# Allegro board 20173009_BALENA-FIN_V10.brd (continued)
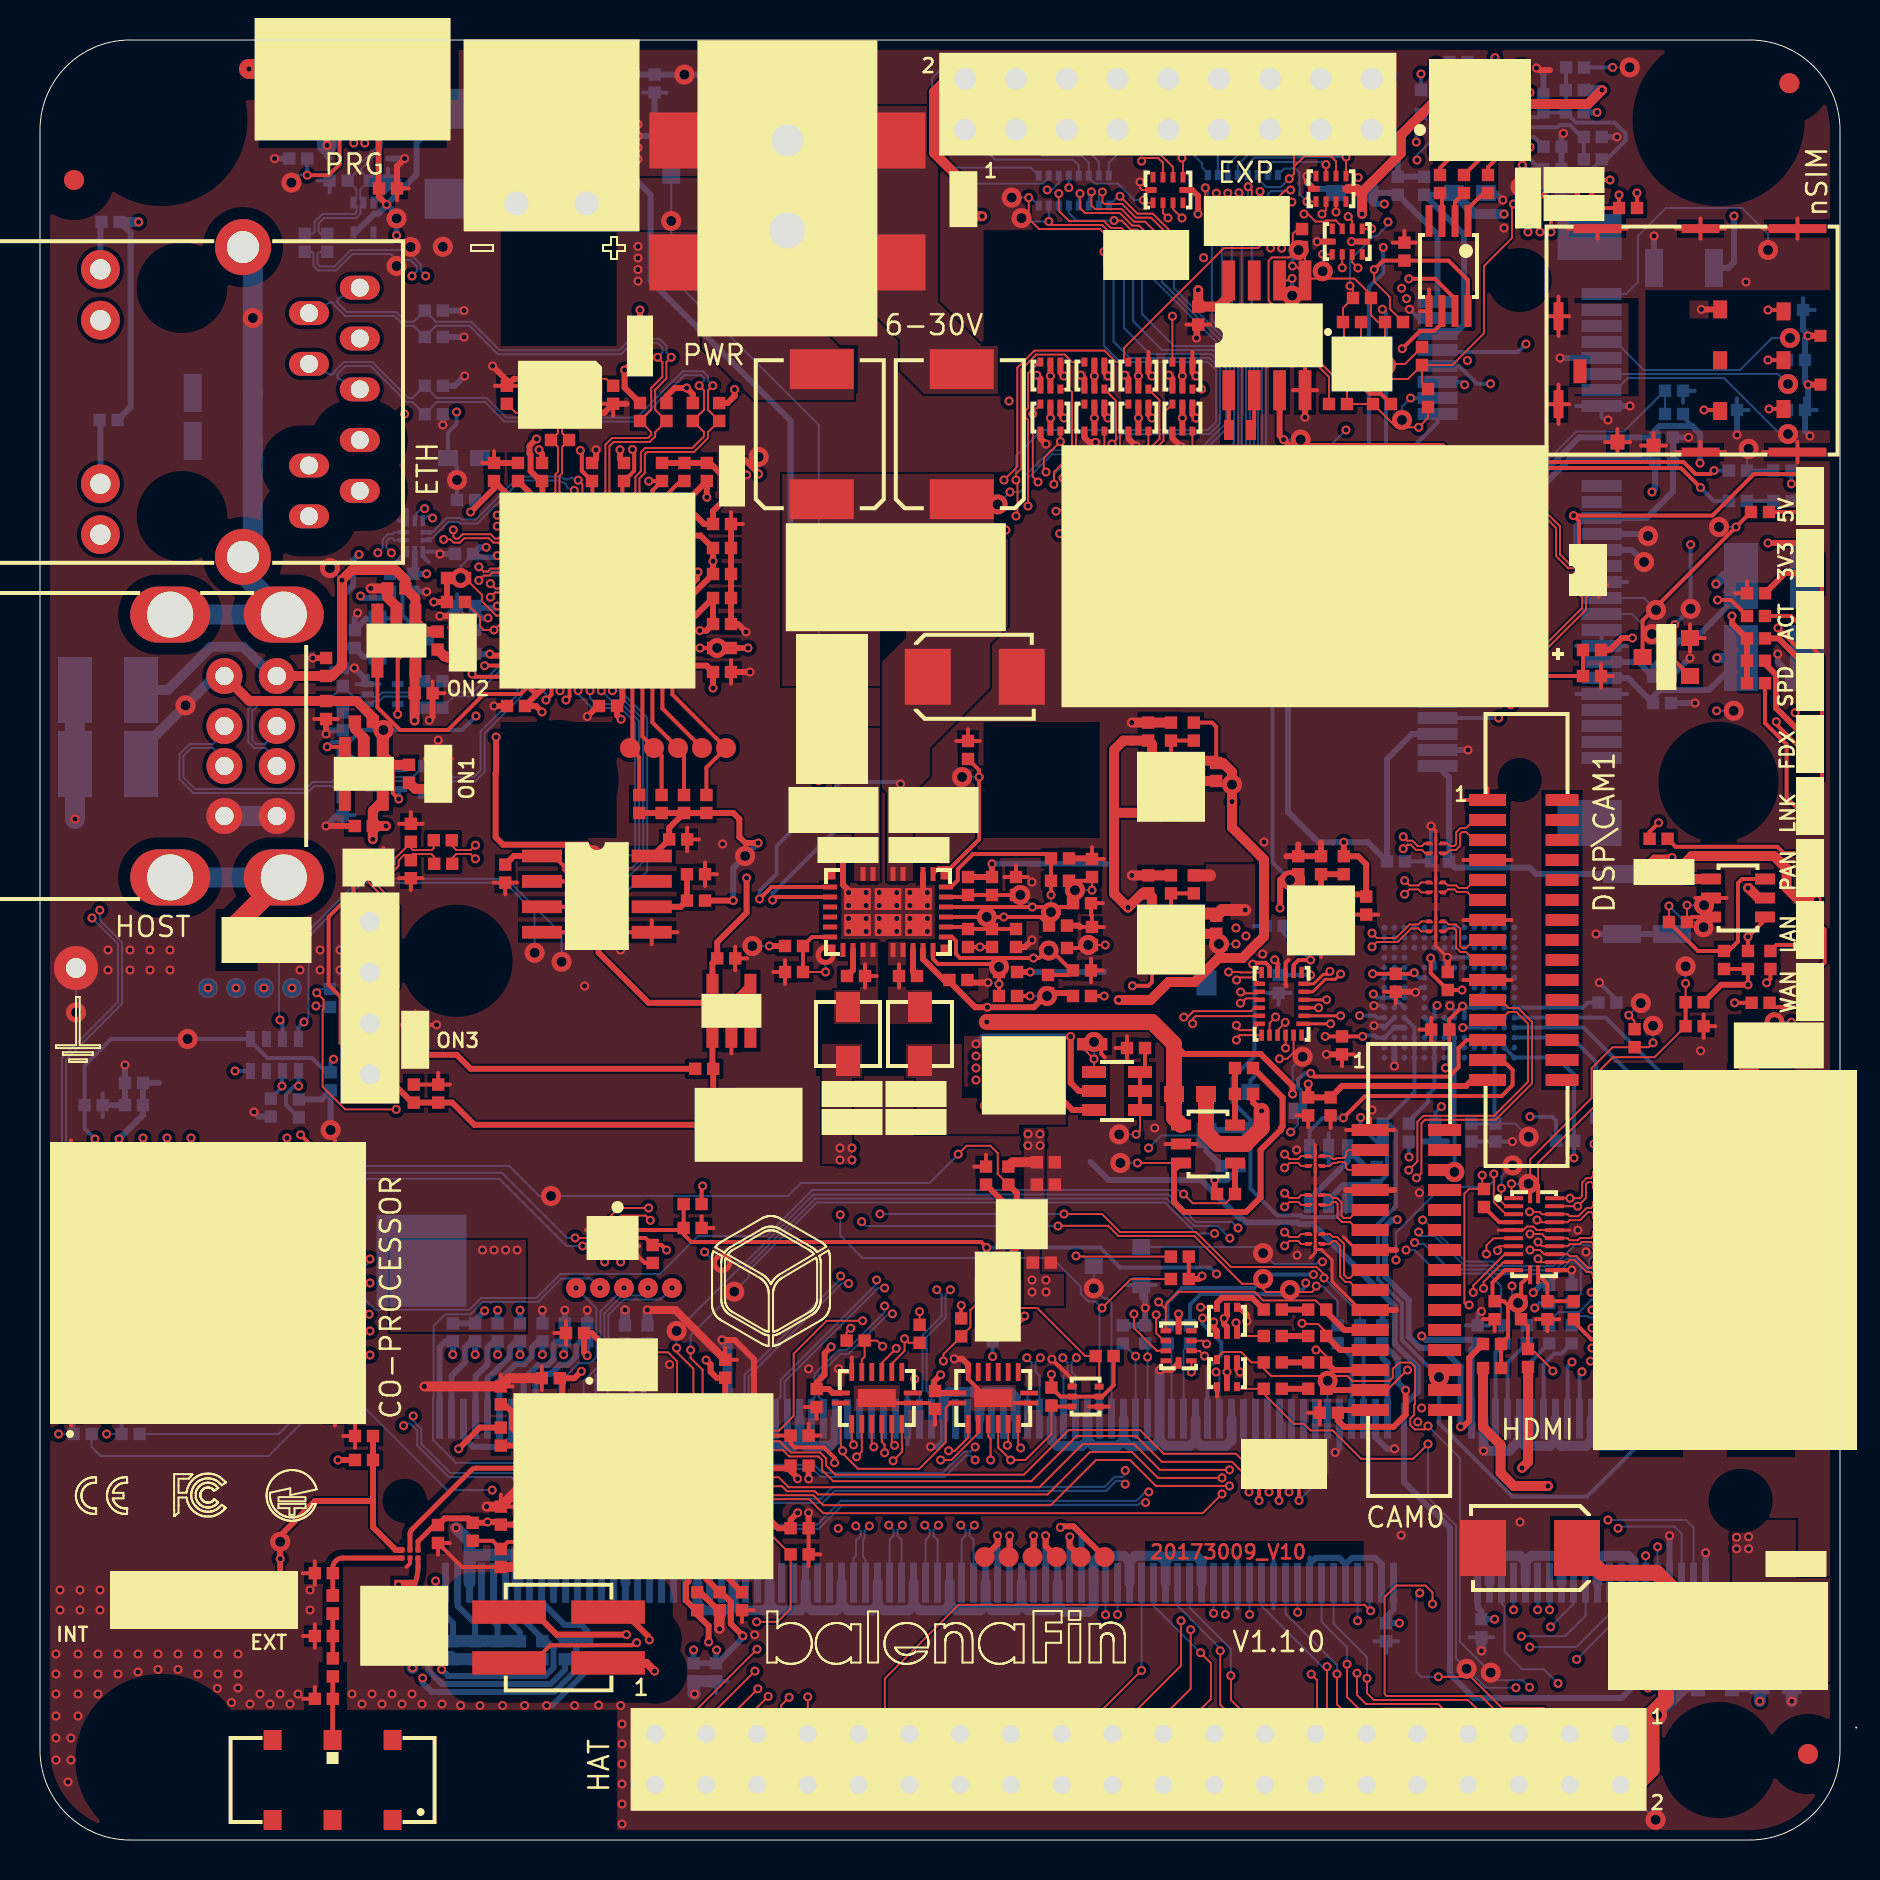
[diagram p0: board, top side]
## Placement (name value [footprint] x y rotation side) (continued)
NOREF#919  -  []  80.05 21.12 0 top
NOREF#920  -  []  77.5 84.84 90 top
NOREF#921  -  []  12.46 84.07 0 top
NOREF#922  -  []  61.93 42.35 90 top
NOREF#923  -  []  60.88 24.19 0 top
NOREF#924  -  []  31.1 27.6 0 top
NOREF#925  -  []  18.23 65.68 0 top
NOREF#926  -  []  3.02 75.99 90 top
NOREF#927  -  []  15.43 51.01 0 top
NOREF#928  -  []  69.88 76.9 0 top
NOREF#929  -  []  72.74 25.11 0 top
NOREF#930  -  []  65.22 44.43 90 top
NOREF#931  -  []  69.59 49.33 0 top
NOREF#932  -  []  74.34 24.83 90 top
NOREF#933  -  []  30.4 20.8 90 top
NOREF#934  -  []  79.05 74.77 0 top
NOREF#935  -  []  76.61 88.32 90 top
NOREF#936  -  []  58.44 81.45 90 top
NOREF#937  -  []  11.8 87.31 90 top
NOREF#938  -  []  51.05 32.46 90 top
NOREF#939  -  []  72.4 82.35 90 top
NOREF#940  -  []  55.25 82.35 0 top
NOREF#941  -  []  52.69 28.7 0 top
NOREF#942  -  []  83.55 10.45 0 top
NOREF#943  -  []  86.17 42.17 0 top
NOREF#944  -  []  62.6 49.5 0 top
NOREF#945  -  []  15.75 20.2 0 top
NOREF#946  -  []  57.91 23.48 0 top
NOREF#947  -  []  76.29 87.5 0 top
NOREF#948  -  []  50.71 42.04 90 top
NOREF#949  -  []  13.48 82.5 0 top
NOREF#950  -  []  14.83 51.55 0 top
NOREF#951  -  []  63.41 26.52 0 top
NOREF#952  -  []  32.87 94.48 0 top
NOREF#953  -  []  64.61 80.56 0 top
NOREF#954  -  []  4.2 52.15 90 top
NOREF#955  -  []  32.87 98.98 0 top
NOREF#956  -  []  14.33 8.49 0 top
NOREF#957  -  []  18.23 16.96 90 top
NOREF#958  -  []  57.38 48.54 0 top
NOREF#959  -  []  74.65 74.77 0 top
NOREF#960  -  []  16.87 58.62 0 top
NOREF#961  -  []  22.82 7.01 90 top
NOREF#962  -  []  55.27 72.02 0 top
NOREF#963  -  []  83.95 71.5 0 top
NOREF#964  -  []  32.18 31.8 0 top
NOREF#965  -  []  74.36 26.63 90 top
NOREF#966  -  []  19.51 52.07 90 top
NOREF#967  -  []  64.14 78.94 90 top
NOREF#968  -  []  70 82.35 90 top
NOREF#969  -  [unnamed#3]  83.93 86 0 top
NOREF#970  -  []  13.99 59.41 0 top
NOREF#971  -  []  78.23 41.56 90 top
NOREF#972  -  []  76.1 38 0 top
NOREF#973  -  []  37.84 13.97 90 top
NOREF#974  -  []  33.97 38.25 90 top
NOREF#975  -  []  62.79 79.96 0 top
NOREF#976  -  []  29.25 24.83 90 top
NOREF#977  -  []  68.76 34.61 90 top
NOREF#978  -  []  24.81 12.71 90 top
NOREF#979  -  []  25.12 24.93 90 top
NOREF#980  -  []  47.66 37.26 90 top
NOREF#981  -  []  4.29 80.59 90 top
NOREF#982  -  []  69.4 71.65 90 top
NOREF#983  -  []  69.45 83.95 0 top
NOREF#984  -  []  88.15 52.1 0 top
NOREF#985  -  []  20.33 26.14 0 top
NOREF#986  -  []  12.29 63.76 90 top
NOREF#987  -  []  1.55 22.2 90 top
NOREF#988  -  []  33.63 51.04 90 top
NOREF#989  -  []  23.66 56.39 90 top
NOREF#990  -  []  60.68 40.7 0 top
NOREF#991  -  []  24.87 13.49 90 top
NOREF#992  -  []  64.78 44.43 0 top
NOREF#993  -  []  59.12 45 90 top
NOREF#994  -  []  40.33 24.97 0 top
NOREF#995  -  []  14.22 37.79 0 top
NOREF#996  -  []  35.22 39.61 0 top
NOREF#997  -  []  59.08 33.7 0 top
NOREF#998  -  []  82.84 8.3 0 top
NOREF#999  -  []  33.48 83.76 90 top
NOREF#1000  -  []  15.38 82.5 0 top
NOREF#1001  -  []  24.22 58.82 90 top
NOREF#1002  -  []  25.1 45.39 0 top
NOREF#1003  -  []  69.72 48.18 0 top
NOREF#1004  -  []  63.41 79.34 90 top
NOREF#1005  -  []  89.65 66.8 90 top
NOREF#1006  -  []  64.21 29.9 90 top
NOREF#1007  -  []  53.84 83.72 0 top
NOREF#1008  -  []  47.32 25.26 0 top
NOREF#1009  -  []  84.36 61.12 90 top
NOREF#1010  -  []  68.45 34.92 90 top
NOREF#1011  -  []  56.2 37.7 0 top
NOREF#1012  -  []  76.49 5.3 0 top
NOREF#1013  -  []  20.66 62.79 90 top
NOREF#1014  -  []  34.1 68.6 0 top
NOREF#1015  -  []  51.66 44.29 90 top
NOREF#1016  -  []  38.46 43.09 90 top
NOREF#1017  -  []  46.06 25.18 90 top
NOREF#1018  -  []  18.23 16.96 0 top
NOREF#1019  -  []  64.57 26.04 0 top
NOREF#1020  -  []  85.9 79.5 0 top
NOREF#1021  -  []  58.14 81.22 90 top
NOREF#1022  -  []  3.67 81.21 0 top
NOREF#1023  -  []  18.08 1.5 90 top
NOREF#1024  -  []  11.23 36.48 0 top
NOREF#1025  -  []  21.32 15.27 0 top
NOREF#1026  -  []  76.29 86.38 0 top
NOREF#1027  -  []  54.95 25.14 0 top
NOREF#1028  -  []  70.75 80.95 0 top
NOREF#1029  -  []  74.86 84.98 0 top
NOREF#1030  -  []  99.77 69.74 90 top
NOREF#1031  -  []  51.34 42.51 0 top
NOREF#1032  -  []  23.04 13.65 90 top
NOREF#1033  -  []  24.81 26.14 0 top
NOREF#1034  -  []  56.55 54.97 90 top
NOREF#1035  -  []  55.78 24.56 0 top
NOREF#1036  -  []  44.97 81.54 0 top
NOREF#1037  -  []  14.19 41.96 0 top
NOREF#1038  -  []  87.26 67.26 0 top
NOREF#1039  -  []  76.69 26.04 90 top
NOREF#1040  -  []  24.03 12.02 0 top
NOREF#1041  -  []  60.3 19.3 90 top
NOREF#1042  -  []  57.72 51.11 90 top
NOREF#1043  -  []  25.41 67.64 90 top
NOREF#1044  -  []  31.11 85.51 0 top
NOREF#1045  -  []  33.65 67.64 90 top
NOREF#1046  -  []  13.43 7.37 0 top
NOREF#1047  -  []  3.44 36.43 90 top
NOREF#1048  -  []  87.17 73.99 90 top
NOREF#1049  -  []  56.88 43.74 0 top
NOREF#1050  -  []  63.69 30.6 0 top
NOREF#1051  -  []  87.88 66.64 90 top
NOREF#1052  -  []  2.98 71 0 top
NOREF#1053  -  []  70.24 47.48 90 top
NOREF#1054  -  []  53.84 83.72 0 top
NOREF#1055  -  []  63.69 34.5 0 top
NOREF#1056  -  []  81.75 24.83 90 top
NOREF#1057  -  []  72.73 61.12 90 top
NOREF#1058  -  []  77.92 41.87 0 top
NOREF#1059  -  []  80.3 61.5 0 top
NOREF#1060  -  []  70.24 45.53 90 top
NOREF#1061  -  []  63.72 35.92 90 top
NOREF#1062  -  []  48.11 33.98 0 top
NOREF#1063  -  []  25.93 53 90 top
NOREF#1064  -  []  4.25 37.86 0 top
NOREF#1065  -  []  29.51 67.64 90 top
NOREF#1066  -  []  70.15 40.83 0 top
NOREF#1067  -  []  4.39 21.29 90 top
NOREF#1068  -  []  50.33 14.15 0 top
NOREF#1069  -  []  33.65 72.16 0 top
NOREF#1070  -  []  34.24 59.91 0 top
NOREF#1071  -  []  1.68 21.6 0 top
NOREF#1072  -  []  76.38 26.35 0 top
NOREF#1073  -  []  76.88 87.81 0 top
NOREF#1074  -  []  80.48 35.36 90 top
NOREF#1075  -  []  67.43 25.42 90 top
NOREF#1076  -  []  46.71 53.74 90 top
NOREF#1077  -  []  81.15 49.25 0 top
NOREF#1078  -  []  52.72 73.9 0 top
NOREF#1079  -  []  64.14 72.11 0 top
NOREF#1080  -  []  21.44 62.01 0 top
NOREF#1081  -  []  47.91 47.84 90 top
NOREF#1082  -  []  56.29 23.96 90 top
NOREF#1083  -  []  84.01 71.45 0 top
NOREF#1084  -  []  89.03 72.77 90 top
NOREF#1085  -  []  66.31 25.42 90 top
NOREF#1086  -  []  80.34 58.48 0 top
NOREF#1087  -  []  31.56 83.21 90 top
NOREF#1088  -  [unnamed#3]  83.93 4 0 top
NOREF#1089  -  []  19.53 56.31 90 top
NOREF#1090  -  []  41.2 44.8 0 top
NOREF#1091  -  []  57.28 51.11 0 top
NOREF#1092  -  []  60.45 18.05 90 top
NOREF#1093  -  []  84.95 7.19 90 top
NOREF#1094  -  []  62.24 80.45 90 top
NOREF#1095  -  []  51.02 70.44 90 top
NOREF#1096  -  []  49.87 71.57 90 top
NOREF#1097  -  []  59.75 33.85 90 top
NOREF#1098  -  []  63.72 26.21 90 top
NOREF#1099  -  []  76.89 25.42 90 top
NOREF#1100  -  []  75.49 35.27 0 top
NOREF#1101  -  []  48.54 43.71 0 top
NOREF#1102  -  []  42.5 36.3 0 top
NOREF#1103  -  []  56.07 26.04 0 top
NOREF#1104  -  []  61.19 26.52 0 top
NOREF#1105  -  []  20.04 63.41 0 top
NOREF#1106  -  []  58.77 34.01 0 top
NOREF#1107  -  []  29 54.6 0 top
NOREF#1108  -  []  14.17 83.28 0 top
NOREF#1109  -  []  79.9 65.2 0 top
NOREF#1110  -  []  33.34 67.95 90 top
NOREF#1111  -  []  82.43 10.45 0 top
NOREF#1112  -  []  17.71 9.46 90 top
NOREF#1113  -  []  56.38 24.83 90 top
NOREF#1114  -  []  69.86 48.62 90 top
NOREF#1115  -  []  72.42 26.35 0 top
NOREF#1116  -  []  16.87 49.02 0 top
NOREF#1117  -  []  73.83 71.91 0 top
NOREF#1118  -  []  21.45 26.14 0 top
NOREF#1119  -  []  16.5 82.97 0 top
NOREF#1120  -  []  18.91 58.25 0 top
NOREF#1121  -  []  75.48 84.36 90 top
NOREF#1122  -  []  13.99 56.36 0 top
NOREF#1123  -  []  85.4 43.55 90 top
NOREF#1124  -  []  47.63 24.95 90 top
NOREF#1125  -  []  11.54 36.17 90 top
NOREF#1126  -  []  85.35 58.96 0 top
NOREF#1127  -  []  44.47 80.08 90 top
NOREF#1128  -  []  48.8 44.65 90 top
NOREF#1129  -  []  22.57 26.14 0 top
NOREF#1130  -  []  85.04 67.26 0 top
NOREF#1131  -  []  15.45 58.29 90 top
NOREF#1132  -  []  79.1 45.3 90 top
NOREF#1133  -  []  34.24 62.41 0 top
NOREF#1134  -  []  73.53 25.42 90 top
NOREF#1135  -  []  72.93 70.12 0 top
NOREF#1136  -  []  28.7 27.6 0 top
NOREF#1137  -  []  23.04 19.72 90 top
NOREF#1138  -  []  73.98 78 0 top
NOREF#1139  -  []  28.97 71.5 90 top
NOREF#1140  -  []  3.08 80.9 0 top
NOREF#1141  -  []  32.37 9.15 0 top
NOREF#1142  -  []  19.2 52.38 0 top
NOREF#1143  -  []  44.25 49.9 0 top
NOREF#1144  -  []  79.99 37.96 0 top
NOREF#1145  -  []  53.83 25.14 0 top
NOREF#1146  -  []  80.04 39.33 90 top
NOREF#1147  -  []  37.53 14.28 0 top
NOREF#1148  -  []  32.6 54.6 0 top
NOREF#1149  -  []  63.1 44.68 0 top
NOREF#1150  -  []  69.77 34.92 90 top
NOREF#1151  -  []  0 85.5 0 top
NOREF#1152  -  []  69.34 49.23 0 top
NOREF#1153  -  []  71.88 24.83 90 top
NOREF#1154  -  []  73.75 88.55 0 top
NOREF#1155  -  []  58 47.92 90 top
NOREF#1156  -  []  7.7 8.83 0 top
NOREF#1157  -  []  75.7 13.2 90 top
NOREF#1158  -  []  86.96 9.28 0 top
NOREF#1159  -  []  10.15 64.16 90 top
NOREF#1160  -  []  85.09 43.86 0 top
NOREF#1161  -  []  85.35 60.08 0 top
NOREF#1162  -  []  18.23 16.16 90 top
NOREF#1163  -  []  20.85 67 0 top
NOREF#1164  -  []  49.84 33.89 0 top
NOREF#1165  -  []  80.19 9.73 0 top
NOREF#1166  -  []  87.09 8.09 0 top
NOREF#1167  -  []  77.65 62.6 0 top
NOREF#1168  -  []  22.97 67.37 0 top
NOREF#1169  -  []  77.61 42.18 0 top
NOREF#1170  -  []  56.97 82.65 0 top
NOREF#1171  -  []  55.42 70.44 90 top
NOREF#1172  -  []  77.5 87.19 90 top
NOREF#1173  -  []  58.24 81.49 0 top
NOREF#1174  -  []  63.1 22.87 0 top
NOREF#1175  -  []  70.89 82.66 0 top
NOREF#1176  -  []  56.91 78.25 0 top
NOREF#1177  -  []  24.02 5.81 0 top
NOREF#1178  -  []  43.17 51.5 0 top
NOREF#1179  -  []  3.75 21 0 top
NOREF#1180  -  []  63.56 29.8 0 top
NOREF#1181  -  []  12.38 57.32 0 top
NOREF#1182  -  []  55.56 39.29 90 top
NOREF#1183  -  []  16.88 59.17 90 top
NOREF#1184  -  []  48.42 32.77 90 top
NOREF#1185  -  []  35.1 67 90 top
NOREF#1186  -  []  83.16 11.86 90 top
NOREF#1187  -  []  20.85 59.3 0 top
NOREF#1188  -  []  1.93 51.67 90 top
NOREF#1189  -  []  49.87 72.77 0 top
NOREF#1190  -  []  58.22 75.46 90 top
NOREF#1191  -  []  66.59 81.24 90 top
NOREF#1192  -  []  79.4 37.65 0 top
NOREF#1193  -  []  42.3 42 0 top
NOREF#1194  -  []  52.73 14.15 0 top
NOREF#1195  -  []  77.78 84.34 0 top
NOREF#1196  -  []  15.74 59.6 90 top
NOREF#1197  -  []  19.24 71.29 0 top
NOREF#1198  -  []  15.14 57.7 90 top
NOREF#1199  -  []  18.36 52.4 90 top
NOREF#1200  -  []  21.06 52.91 90 top
NOREF#1201  -  []  30.06 26.04 0 top
NOREF#1202  -  []  14.48 82.97 0 top
NOREF#1203  -  []  82.28 40.69 0 top
NOREF#1204  -  []  54.85 46.77 0 top
NOREF#1205  -  []  61.5 22.25 90 top
NOREF#1206  -  []  88.15 42.8 0 top
NOREF#1207  -  []  24.87 14.09 0 top
NOREF#1208  -  []  95.3 33.5 90 top
NOREF#1209  -  []  57.46 78 90 top
NOREF#1210  -  []  57.83 42.22 90 top
NOREF#1211  -  []  25.1 47.93 90 top
NOREF#1212  -  []  63.33 81.59 0 top
NOREF#1213  -  []  76.89 26.54 90 top
NOREF#1214  -  []  62.45 36.05 90 top
NOREF#1215  -  []  34.24 58.71 0 top
NOREF#1216  -  []  49.97 30.57 90 top
NOREF#1217  -  []  50.4 42.35 90 top
NOREF#1218  -  []  19.25 64.14 90 top
NOREF#1219  -  []  12.08 0.5 0 top
NOREF#1220  -  []  63.1 25.51 0 top
NOREF#1221  -  []  27.67 9.63 90 top
NOREF#1222  -  []  48.14 39.43 0 top
NOREF#1223  -  []  23.57 48.46 90 top
NOREF#1224  -  []  69.88 76.9 90 top
NOREF#1225  -  []  27.91 67.64 90 top
NOREF#1226  -  []  54.14 24.83 90 top
NOREF#1227  -  []  13.05 84.38 0 top
NOREF#1228  -  []  65.74 76.21 0 top
NOREF#1229  -  []  17.89 65.1 0 top
NOREF#1230  -  []  52.67 63.19 0 top
NOREF#1231  -  []  63.41 23.88 0 top
NOREF#1232  -  []  17.71 8.41 0 top
NOREF#1233  -  []  46.06 43.31 0 top
NOREF#1234  -  []  13.45 76.34 90 top
NOREF#1235  -  []  18.14 54.07 0 top
NOREF#1236  -  []  11.35 88.26 0 top
NOREF#1237  -  []  72.15 23.6 0 top
NOREF#1238  -  []  18.54 40.83 0 top
NOREF#1239  -  []  23.69 26.14 0 top
NOREF#1240  -  []  3.94 38.17 0 top
NOREF#1241  -  []  53.07 72.32 90 top
NOREF#1242  -  []  26.4 72.48 90 top
NOREF#1243  -  []  25.42 44.39 90 top
NOREF#1244  -  []  33.78 35.76 0 top
NOREF#1245  -  []  23.01 67.64 90 top
NOREF#1246  -  []  46.62 50.55 90 top
NOREF#1247  -  []  19 37.46 90 top
NOREF#1248  -  []  10.93 82.5 0 top
NOREF#1249  -  []  76.4 73.12 90 top
NOREF#1250  -  []  63.31 29.7 0 top
NOREF#1251  -  []  32.33 72.16 0 top
NOREF#1252  -  []  26.3 27.6 0 top
NOREF#1253  -  []  50.36 36.33 90 top
NOREF#1254  -  []  14.75 22.2 90 top
NOREF#1255  -  []  22.06 58.99 90 top
NOREF#1256  -  []  72.71 82.04 90 top
NOREF#1257  -  []  79.86 35.98 0 top
NOREF#1258  -  []  56.24 47.64 0 top
NOREF#1259  -  []  18.41 40.41 0 top
NOREF#1260  -  []  38.17 51.5 0 top
NOREF#1261  -  []  18.16 82.27 90 top
NOREF#1262  -  []  81.15 77.65 90 top
NOREF#1263  -  []  69.69 82.66 0 top
NOREF#1264  -  []  56.54 29.17 0 top
NOREF#1265  -  []  22.07 25.52 90 top
NOREF#1266  -  []  50.09 81.97 90 top
NOREF#1267  -  []  17.26 60.03 0 top
NOREF#1268  -  []  63.69 33.4 90 top
NOREF#1269  -  []  30.63 28.85 90 top
NOREF#1270  -  []  51.53 14.15 0 top
NOREF#1271  -  []  35.75 13.86 90 top
NOREF#1272  -  []  57.81 25.42 90 top
NOREF#1273  -  []  87.5 57.45 90 top
NOREF#1274  -  []  89.2 8.3 90 top
NOREF#1275  -  []  48.02 36.33 0 top
NOREF#1276  -  []  21.44 59.61 0 top
NOREF#1277  -  []  23.45 8.85 90 top
NOREF#1278  -  []  37.22 14.59 0 top
NOREF#1279  -  []  17.37 62.58 0 top
NOREF#1280  -  []  60.34 37.61 0 top
NOREF#1281  -  []  79.01 35.81 90 top
NOREF#1282  -  []  57.13 29.48 0 top
NOREF#1283  -  []  7.55 22.2 0 top
NOREF#1284  -  []  83.28 45.65 90 top
NOREF#1285  -  []  40.49 22.47 0 top
NOREF#1286  -  []  70.2 82.75 0 top
NOREF#1287  -  []  40.4 38.95 90 top
NOREF#1288  -  []  21.53 85.26 90 top
NOREF#1289  -  []  70.08 42.81 0 top
NOREF#1290  -  []  65.11 34.05 90 top
NOREF#1291  -  []  69.45 76.45 90 top
NOREF#1292  -  []  47.44 26.62 0 top
NOREF#1293  -  []  4.47 39.76 0 top
NOREF#1294  -  []  89.58 60.2 90 top
NOREF#1295  -  []  19.83 76.78 0 top
NOREF#1296  -  []  12.63 37.34 0 top
NOREF#1297  -  []  19.25 64.7 90 top
NOREF#1298  -  []  86.14 66.71 0 top
NOREF#1299  -  []  19.59 16.06 0 top
NOREF#1300  -  []  74.16 85.64 90 top
NOREF#1301  -  []  42.5 37.7 0 top
NOREF#1302  -  []  44.96 84.22 0 top
NOREF#1303  -  []  86.52 43.55 90 top
NOREF#1304  -  []  17.61 39.61 0 top
NOREF#1305  -  []  13.9 89.21 0 top
NOREF#1306  -  []  52.24 28.3 90 top
NOREF#1307  -  []  33.35 38.87 0 top
NOREF#1308  -  []  16.87 58.62 90 top
NOREF#1309  -  []  34.86 58.09 90 top
NOREF#1310  -  []  14.61 58.79 90 top
NOREF#1311  -  []  67.13 34.92 90 top
NOREF#1312  -  []  23.19 25.52 90 top
NOREF#1313  -  []  86.79 41.55 90 top
NOREF#1314  -  []  48.34 31.52 0 top
NOREF#1315  -  []  33.53 87.1 0 top
NOREF#1316  -  []  20.64 24.93 90 top
NOREF#1317  -  []  13.63 86.8 90 top
NOREF#1318  -  []  27.02 21.29 0 top
NOREF#1319  -  []  79.28 138 0 top
NOREF#1320  -  []  29.9 27.6 0 top
NOREF#1321  -  []  58.81 52.95 90 top
NOREF#1322  -  []  61.74 82.99 90 top
NOREF#1323  -  []  80.7 78.6 0 top
NOREF#1324  -  []  47.94 24.64 90 top
NOREF#1325  -  []  90.85 32.7 0 top
NOREF#1326  -  []  10.3 38.05 0 top
NOREF#1327  -  []  20.85 61.7 0 top
NOREF#1328  -  []  57.55 82.35 90 top
NOREF#1329  -  []  60.05 20.05 0 top
NOREF#1330  -  []  40.89 21.65 0 top
NOREF#1331  -  []  47.66 37.26 90 top
NOREF#1332  -  []  51.85 40.1 0 top
NOREF#1333  -  []  13.45 66.19 0 top
NOREF#1334  -  []  49.03 21.25 90 top
NOREF#1335  -  []  24.9 73.06 0 top
NOREF#1336  -  []  70.76 85.29 0 top
NOREF#1337  -  []  74.71 35.8 90 top
NOREF#1338  -  []  57.28 81.59 90 top
NOREF#1339  -  []  87.28 60.2 0 top
NOREF#1340  -  []  82.66 45.59 90 top
NOREF#1341  -  []  14.95 7.87 90 top
NOREF#1342  -  []  -87.17 -99.14 0 top
NOREF#1343  -  []  88.56 73.69 90 top
NOREF#1344  -  []  33.8 7.94 90 top
NOREF#1345  -  []  62.8 45.11 90 top
NOREF#1346  -  []  68.1 43 90 top
NOREF#1347  -  []  70.85 88.78 0 top
NOREF#1348  -  []  48.54 42.51 0 top
NOREF#1349  -  []  109.85 19.5 90 top
NOREF#1350  -  []  66 46.58 0 top
NOREF#1351  -  []  22.39 68.26 0 top
NOREF#1352  -  []  19.58 53.18 90 top
NOREF#1353  -  []  32.87 94.48 0 top
NOREF#1354  -  []  64.21 31.65 90 top
NOREF#1355  -  []  73.15 87.18 90 top
NOREF#1356  -  []  13.9 85.02 90 top
NOREF#1357  -  []  18.38 38.08 0 top
NOREF#1358  -  []  57.72 43.47 90 top
NOREF#1359  -  []  25.24 70.31 0 top
NOREF#1360  -  []  67.94 49.24 0 top
NOREF#1361  -  []  16.27 53.4 0 top
NOREF#1362  -  []  52.94 81.72 0 top
NOREF#1363  -  []  83.18 25.42 90 top
NOREF#1364  -  []  45.4 44.4 90 top
NOREF#1365  -  []  82.46 70.99 90 top
NOREF#1366  -  []  3.75 17.5 90 top
NOREF#1367  -  []  58 55.56 90 top
NOREF#1368  -  []  69.79 49.28 90 top
NOREF#1369  -  []  76.25 29.99 0 top
NOREF#1370  -  []  22.57 10.25 0 top
NOREF#1371  -  []  32.95 71.54 90 top
NOREF#1372  -  []  17.54 82.89 0 top
NOREF#1373  -  []  53.16 80.5 0 top
NOREF#1374  -  []  65.69 26.04 0 top
NOREF#1375  -  []  47.44 40.13 0 top
NOREF#1376  -  []  9.22 51.2 0 top
NOREF#1377  -  []  23.04 21.78 90 top
NOREF#1378  -  []  22.29 59.47 90 top
NOREF#1379  -  []  26.3 22.78 90 top
NOREF#1380  -  []  75.17 83.55 0 top
NOREF#1381  -  []  14.33 11.63 0 top
NOREF#1382  -  []  70.7 82.35 0 top
NOREF#1383  -  []  29.98 80.43 0 top
NOREF#1384  -  []  24.87 14.09 90 top
NOREF#1385  -  []  18.76 52.91 0 top
NOREF#1386  -  []  64.35 17.55 90 top
NOREF#1387  -  []  60.3 70 0 top
NOREF#1388  -  []  67.35 48.93 0 top
NOREF#1389  -  []  30.77 2.76 90 top
NOREF#1390  -  []  82.05 60.5 0 top
NOREF#1391  -  []  76.36 82.09 90 top
NOREF#1392  -  []  54.45 24.52 90 top
NOREF#1393  -  []  20.19 60.11 90 top
NOREF#1394  -  []  67.62 10.53 90 top
NOREF#1395  -  []  12.1 42.6 0 top
NOREF#1396  -  []  87.35 63.7 0 top
NOREF#1397  -  []  16.67 80.38 90 top
NOREF#1398  -  []  81.93 9.11 90 top
NOREF#1399  -  []  55.3 45.89 0 top
NOREF#1400  -  []  54.85 54.41 0 top
NOREF#1401  -  []  31.1 67.95 90 top
NOREF#1402  -  []  50.23 29.18 0 top
NOREF#1403  -  []  23.9 67.95 90 top
NOREF#1404  -  []  57.69 47.33 90 top
NOREF#1405  -  []  16.05 55.61 90 top
NOREF#1406  -  []  69.88 76.9 0 top
NOREF#1407  -  []  63.72 24.89 90 top
NOREF#1408  -  []  74.55 83.95 90 top
NOREF#1409  -  []  33.8 54.6 0 top
NOREF#1410  -  []  75.77 25.42 90 top
NOREF#1411  -  []  81.96 69.82 90 top
NOREF#1412  -  []  89.65 42 90 top
NOREF#1413  -  []  66.83 32.75 90 top
NOREF#1414  -  []  7.1 66.19 90 top
NOREF#1415  -  []  58.5 53.26 0 top
NOREF#1416  -  []  50.26 22.03 0 top
NOREF#1417  -  []  42.5 39.7 90 top
NOREF#1418  -  []  69.21 82.27 90 top
NOREF#1419  -  []  66.82 35.23 0 top
NOREF#1420  -  []  14.53 37.48 90 top
NOREF#1421  -  []  55.53 82.12 90 top
NOREF#1422  -  []  40.9 37.7 0 top
NOREF#1423  -  []  16.88 59.17 0 top
NOREF#1424  -  []  82.74 10.14 90 top
NOREF#1425  -  []  50.88 21.41 90 top
NOREF#1426  -  []  85.04 60.39 0 top
NOREF#1427  -  []  63.41 25.2 0 top
NOREF#1428  -  []  85.55 66.4 0 top
NOREF#1429  -  []  79.73 39.64 90 top
NOREF#1430  -  []  90.39 37.12 0 top
NOREF#1431  -  []  70.23 21.5 0 top
NOREF#1432  -  []  75.92 76.19 0 top
NOREF#1433  -  []  69.59 45.43 0 top
NOREF#1434  -  []  29.98 80.43 90 top
NOREF#1435  -  []  50.85 28.56 90 top
NOREF#1436  -  []  40.9 36.3 0 top
NOREF#1437  -  []  86.96 9.28 90 top
NOREF#1438  -  []  69.64 86.61 0 top
NOREF#1439  -  []  57.5 24.83 90 top
NOREF#1440  -  []  40.09 71.94 90 top
NOREF#1441  -  []  23.98 58.51 90 top
NOREF#1442  -  []  32.99 8.53 90 top
NOREF#1443  -  []  75.68 25.73 90 top
NOREF#1444  -  []  7.1 77.62 90 top
NOREF#1445  -  []  1.99 19.99 90 top
NOREF#1446  -  []  86.05 21.12 90 top
NOREF#1447  -  []  10.28 44.05 90 top
NOREF#1448  -  []  50.14 46.03 0 top
NOREF#1449  -  []  37.84 43.71 0 top
NOREF#1450  -  []  39.1 49.9 0 top
NOREF#1451  -  []  69.05 86.3 0 top
NOREF#1452  -  []  47.89 25.67 90 top
NOREF#1453  -  []  33.62 40.11 0 top
NOREF#1454  -  []  59.75 38.6 0 top
NOREF#1455  -  []  34.86 65.49 90 top
NOREF#1456  -  []  57.21 78.75 90 top
NOREF#1457  -  []  85.66 57.53 90 top
NOREF#1458  -  []  58.7 23.79 90 top
NOREF#1459  -  []  72.91 26.04 0 top
NOREF#1460  -  []  15.45 54.05 90 top
NOREF#1461  -  []  77 25.73 90 top
NOREF#1462  -  []  56.54 28.05 0 top
NOREF#1463  -  []  55.17 81.53 0 top
NOREF#1464  -  []  80.58 52.3 90 top
NOREF#1465  -  []  15.43 56.23 0 top
NOREF#1466  -  []  13.74 7.06 0 top
NOREF#1467  -  []  70.26 87.19 90 top
NOREF#1468  -  []  71.76 11.35 0 top
NOREF#1469  -  []  60.53 35.5 0 top
NOREF#1470  -  []  28.55 24.39 0 top
NOREF#1471  -  []  24.79 68.26 0 top
NOREF#1472  -  []  65.96 76.79 90 top
NOREF#1473  -  []  30.2 54.6 0 top
NOREF#1474  -  []  14.95 11.01 90 top
NOREF#1475  -  []  18.89 54.01 0 top
NOREF#1476  -  []  10.93 82.5 90 top
NOREF#1477  -  []  24.78 45.66 0 top
NOREF#1478  -  []  20.21 15.44 90 top
NOREF#1479  -  []  75.7 16 0 top
NOREF#1480  -  []  51.96 46.53 90 top
NOREF#1481  -  []  17.17 48.17 90 top
NOREF#1482  -  []  5.29 19.99 90 top
NOREF#1483  -  []  79.07 61.12 90 top
NOREF#1484  -  []  64.88 49.5 0 top
NOREF#1485  -  []  17.71 8.41 90 top
NOREF#1486  -  []  12.13 38.45 0 top
NOREF#1487  -  []  34.86 62.99 90 top
NOREF#1488  -  []  57.62 72.55 90 top
NOREF#1489  -  []  6.51 48.13 90 top
NOREF#1490  -  []  86.21 44.76 0 top
NOREF#1491  -  []  27.05 26.14 0 top
NOREF#1492  -  []  31.63 71.54 90 top
NOREF#1493  -  []  74.4 23.65 90 top
NOREF#1494  -  []  63.41 22.56 0 top
NOREF#1495  -  []  14.05 9.89 90 top
NOREF#1496  -  []  45.03 44.78 0 top
NOREF#1497  -  []  80.13 59.15 0 top
NOREF#1498  -  []  46.4 54.05 90 top
NOREF#1499  -  []  16.43 61.47 0 top
NOREF#1500  -  []  33.95 23.42 0 top
NOREF#1501  -  []  70.24 45.33 90 top
NOREF#1502  -  []  69.34 47.28 0 top
NOREF#1503  -  []  19.4 49.12 0 top
NOREF#1504  -  []  71.76 84.79 90 top
NOREF#1505  -  []  72.73 61.12 90 top
NOREF#1506  -  []  46.71 46.94 90 top
NOREF#1507  -  []  33.65 62.1 0 top
NOREF#1508  -  []  40.6 53 90 top
NOREF#1509  -  []  18.89 52.69 0 top
NOREF#1510  -  []  81.31 9.73 0 top
NOREF#1511  -  []  50.45 44.6 0 top
NOREF#1512  -  []  66.31 46.27 90 top
NOREF#1513  -  []  32.77 32.11 0 top
NOREF#1514  -  []  67.56 75.59 90 top
NOREF#1515  -  []  46.4 47.25 90 top
NOREF#1516  -  []  71.8 81.95 90 top
NOREF#1517  -  []  65.12 82.71 0 top
NOREF#1518  -  []  81.07 50.37 0 top
NOREF#1519  -  []  19.6 38.08 0 top
NOREF#1520  -  []  32.49 30.29 90 top
NOREF#1521  -  []  86.5 13.4 90 top
NOREF#1522  -  []  50.02 70.44 0 top
NOREF#1523  -  []  85.66 59.77 90 top
NOREF#1524  -  []  63.19 43.1 90 top
NOREF#1525  -  []  24.31 25.52 90 top
NOREF#1526  -  [unnamed#2]  6.07 4 0 top
NOREF#1527  -  []  20.45 74.84 90 top
NOREF#1528  -  []  50.09 81.97 90 top
NOREF#1529  -  []  56.47 73.67 90 top
NOREF#1530  -  []  81.53 43.95 90 top
NOREF#1531  -  []  43.21 21.25 90 top
NOREF#1532  -  []  66.65 71.8 0 top
NOREF#1533  -  []  76.95 62.75 0 top
NOREF#1534  -  []  80.65 58.17 0 top
NOREF#1535  -  []  18.17 64.99 90 top
NOREF#1536  -  []  48.19 29.77 0 top
NOREF#1537  -  []  9.83 45 0 top
NOREF#1538  -  []  57.62 70.44 90 top
NOREF#1539  -  []  85.35 62.34 0 top
NOREF#1540  -  []  51.76 47.65 90 top
NOREF#1541  -  []  63.99 21.36 0 top
NOREF#1542  -  []  87 13.8 0 top
NOREF#1543  -  []  25.22 19.49 0 top
NOREF#1544  -  []  46.31 22.47 0 top
NOREF#1545  -  []  6.07 4 0 top
NOREF#1546  -  []  37.53 20.22 0 top
NOREF#1547  -  []  25.86 69.69 90 top
NOREF#1548  -  []  26.55 25.52 90 top
NOREF#1549  -  []  87.5 61.55 90 top
NOREF#1550  -  []  65.42 81.66 90 top
NOREF#1551  -  []  87.35 48.2 0 top
NOREF#1552  -  []  57.05 35.75 0 top
NOREF#1553  -  []  85.88 68.4 90 top
NOREF#1554  -  []  43 37.3 0 top
NOREF#1555  -  []  57.75 28.86 90 top
NOREF#1556  -  []  16.05 50.39 90 top
NOREF#1557  -  []  58.81 45.31 90 top
NOREF#1558  -  []  67.82 84.22 90 top
NOREF#1559  -  []  87.94 74.31 0 top
NOREF#1560  -  []  72.73 61.12 0 top
NOREF#1561  -  []  58.33 35.23 90 top
NOREF#1562  -  []  66.94 76.21 0 top
NOREF#1563  -  []  20.02 48.5 90 top
NOREF#1564  -  []  18.76 53.45 90 top
NOREF#1565  -  []  43.6 47.27 90 top
NOREF#1566  -  []  64.21 79.77 0 top
NOREF#1567  -  []  70.48 88.9 0 top
NOREF#1568  -  []  1.55 22.2 90 top
NOREF#1569  -  []  42.3 44.38 0 top
NOREF#1570  -  []  74.9 82.5 90 top
NOREF#1571  -  []  24 9.04 90 top
NOREF#1572  -  []  70.7 42.19 90 top
NOREF#1573  -  []  33.96 70.95 90 top
NOREF#1574  -  []  11.85 35.86 90 top
NOREF#1575  -  []  24.03 6.54 90 top
NOREF#1576  -  []  83.28 47.6 0 top
NOREF#1577  -  []  14.4 19.75 90 top
NOREF#1578  -  []  53.56 78.5 0 top
NOREF#1579  -  []  53.16 80.5 0 top
NOREF#1580  -  []  -9.5 59.38 90 top
NOREF#1581  -  []  27.29 68.26 0 top
NOREF#1582  -  []  66.62 45.96 90 top
NOREF#1583  -  []  81.45 45.9 0 top
NOREF#1584  -  []  13.57 60.82 0 top
NOREF#1585  -  []  88.15 45.9 0 top
NOREF#1586  -  []  70.23 29.5 90 top
NOREF#1587  -  []  63.8 17.8 0 top
NOREF#1588  -  []  63.31 31.65 0 top
NOREF#1589  -  []  21.44 60.81 0 top
NOREF#1590  -  []  64.81 82.35 0 top
NOREF#1591  -  []  65.7 82.41 90 top
NOREF#1592  -  []  83.38 86.3 90 top
NOREF#1593  -  []  22.06 60.19 90 top